# Altium PCB 6sdemo.PcbDoc (part 1 of 2)
Units mm, origin at the board's own origin, x right, y up, seen from the top; angles counter-clockwise.
Board outline 100 x 45 mm, 2 copper layers (Top Layer, Bottom Layer); 146 components, 111 nets, 516 pads, 804 vias.
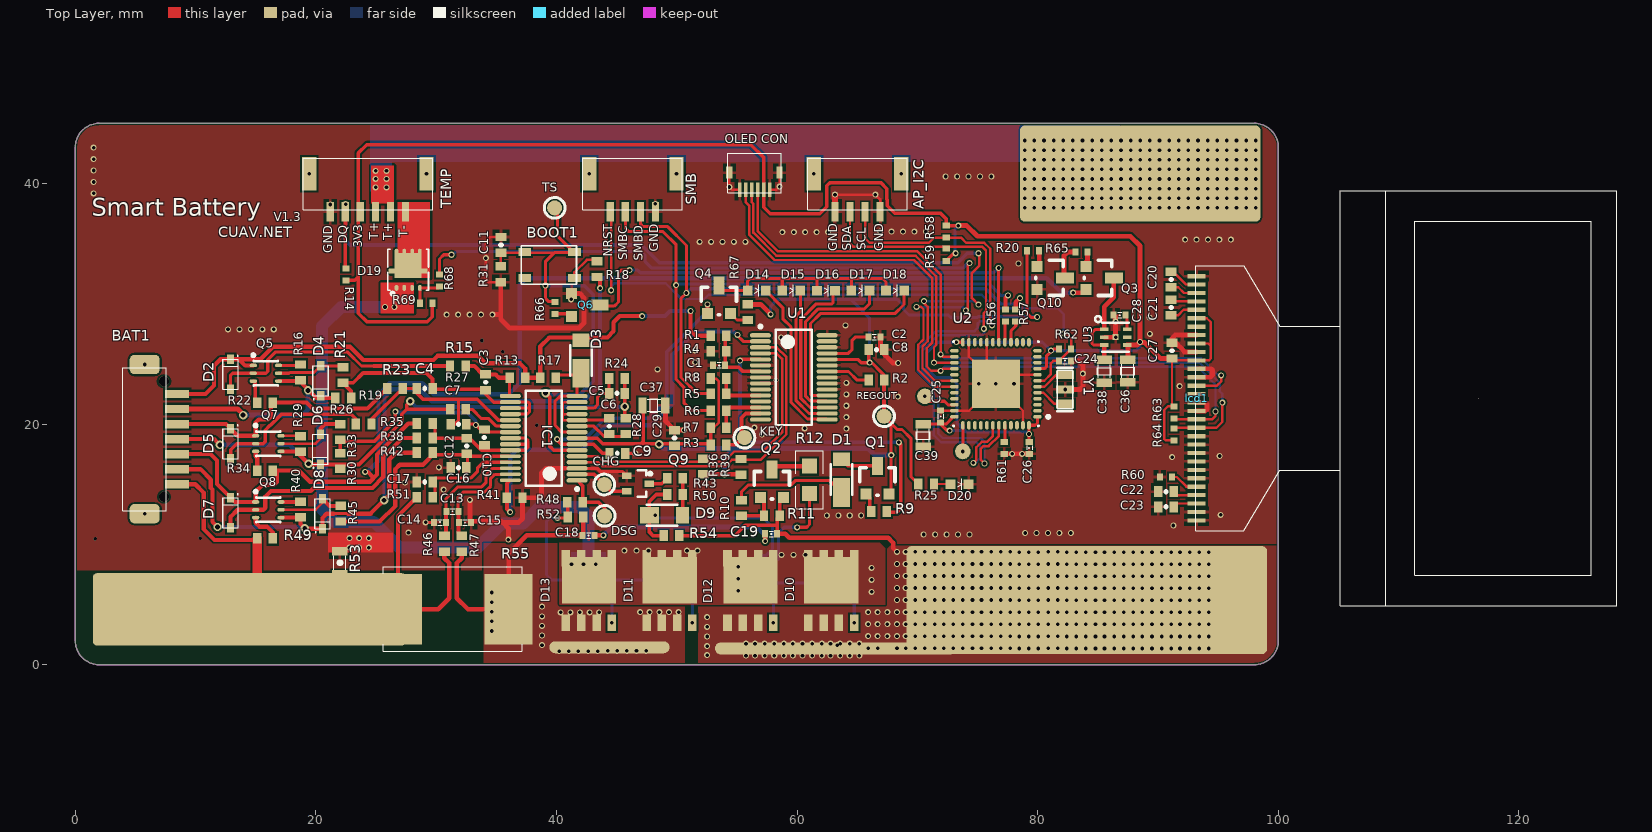
[diagram p0: Top Layer view]
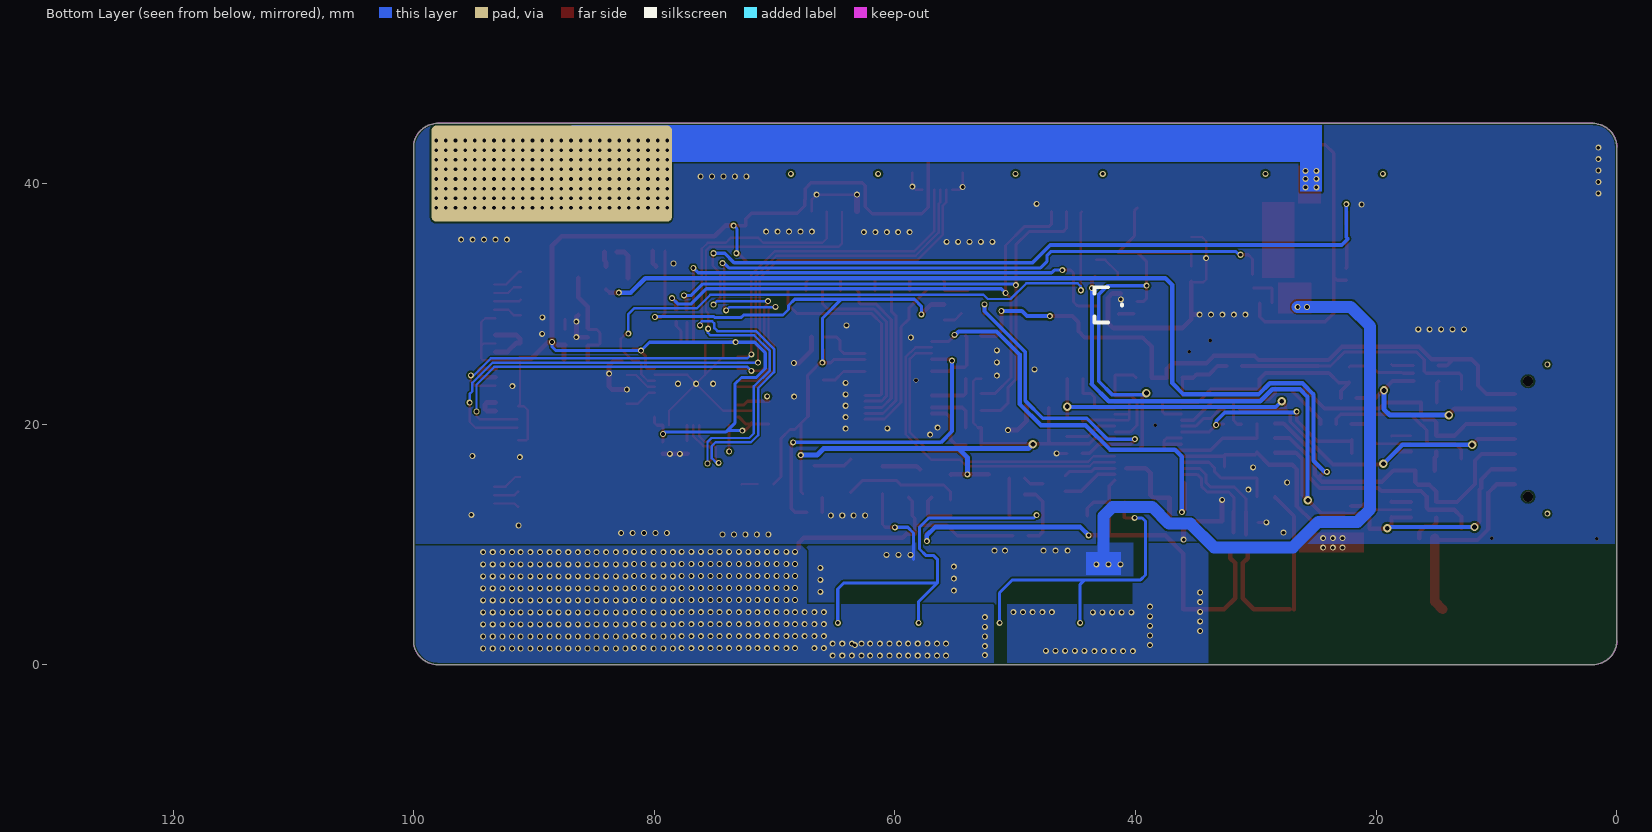
[diagram p1: Bottom Layer view, seen from below]
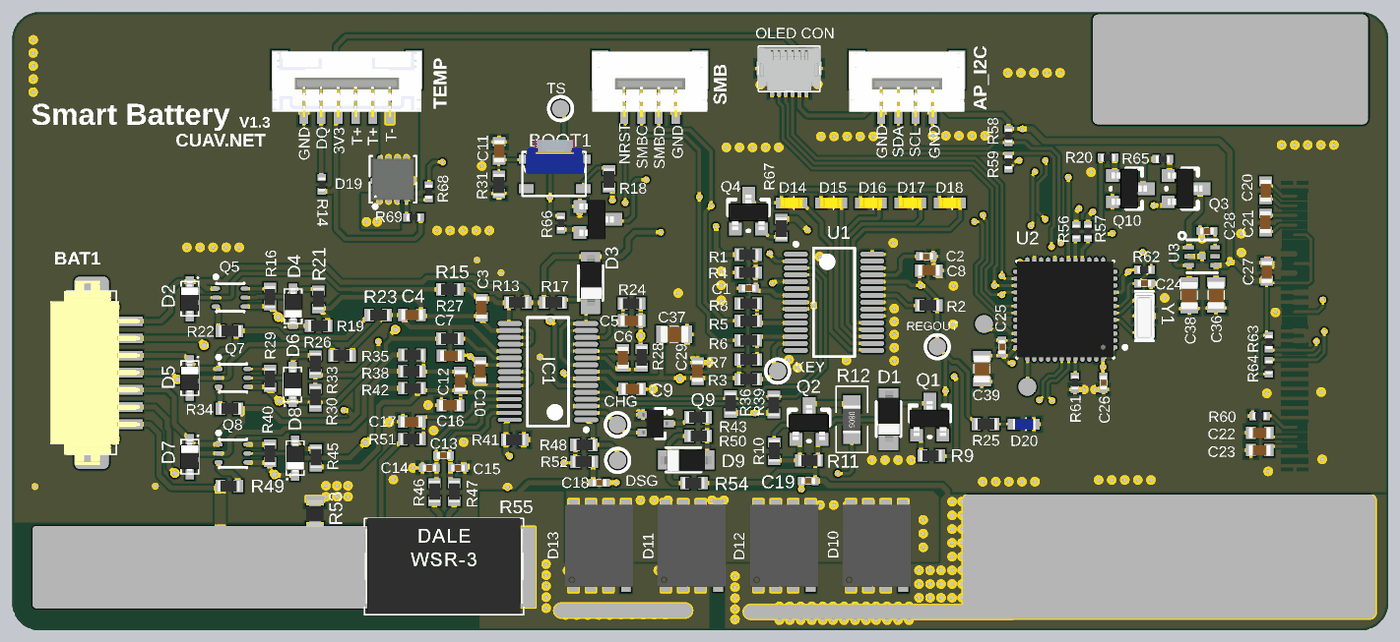
[diagram p3: 3D render of the assembled board from above, using the file's embedded part models]

## Layer stack, top to bottom
Top Solder: solder mask 0.0102, Solder Resist, Dk 3.5
Top Layer: signal copper 0.0356
Dielectric 1: dielectric 0.32, FR-4, Dk 4.8
Bottom Layer: signal copper 0.0356
Bottom Solder: solder mask 0.0102, Solder Resist, Dk 3.5

## Board outline
0,2 0,43 cw(c2,43) 2,45 98,45 cw(c98,43) 100,43 100,2 cw(c98,2) 98,0 2,0 cw(c2,2)

## Design rules (kind name [scope] priority, off if disabled: settings)
Clearance [All] p1: gap=0.154
PlaneConnect PlaneConnect_1 [InNet('PACK-_OUT')] p1: planeconnectstyle=Direct reliefexpansion=0.508 reliefentries=4 reliefconductorwidth=0.254 reliefairgap=0.254
PlaneConnect [All] p2: planeconnectstyle=Relief reliefexpansion=0.508 reliefentries=4 reliefconductorwidth=0.254 reliefairgap=0.254
PolygonConnect PFD [InNet('PFD')] p1: connectstyle=Direct reliefconductorwidth=0.254 reliefentries=4 polygonreliefangle="90 Angle" airgapwidth=0.254
PolygonConnect PACK-OUT [InNet('PACK-_OUT')] p2: connectstyle=Direct reliefconductorwidth=0.254 reliefentries=4 polygonreliefangle="90 Angle" airgapwidth=0.254
PolygonConnect PACK [InNet('PACK-')] p3: connectstyle=Direct reliefconductorwidth=0.254 reliefentries=4 polygonreliefangle="90 Angle" airgapwidth=0.254
PolygonConnect GND [All vs OnLayer('Multi-Layer')] p4: connectstyle=Direct reliefconductorwidth=0.254 reliefentries=4 polygonreliefangle="90 Angle" airgapwidth=0.254
PolygonConnect [All] p5: connectstyle=Relief reliefconductorwidth=0.254 reliefentries=4 polygonreliefangle="90 Angle" airgapwidth=0.254
RoomDefinition MCU+OLED [InComponentClass('MCU+OLED')] p1: confinementstyle=ConfineIn formatcopy=TRUE lockcomponents=FALSE outline -4.251,-8.246 133.199,-8.246 133.199,47.829 -4.251,47.829
RoomDefinition BQ76930 [InComponentClass('BQ76930')] p2: confinementstyle=ConfineIn formatcopy=TRUE lockcomponents=FALSE outline -6.954,-12.415 106.711,-12.415 106.711,47.021 -6.954,47.021
RoomDefinition BQ78350 [InComponentClass('BQ78350')] p3: confinementstyle=ConfineIn formatcopy=TRUE lockcomponents=FALSE outline -0.255,-11.78 102.266,-11.78 102.266,46.299 -0.255,46.299
RoutingVias [All] p1: holewidth=0.711 width=1.27 viastyle="Through Hole" minholewidth=0.711 minwidth=1.27 maxholewidth=0.711 maxwidth=1.27
SolderMaskExpansion [All] p1: expansion=0.102
Width [All] p1: maxlimit=5 minlimit=0.154 preferedwidth=0.254 minimp=50.000000 maximp=50.000000 favimp=50.000000
29 further rules are at their usual default settings.

## Classes and differential pairs
component class BQ78350: C1 C2 D1 D14 D15 D16 D17 D18 D20 KEY Q1 Q2 Q4 R1 R2 R3 R4 R5 R6 R7 R8 R9 R10 R11 R12 R25 R56 R57 R67 REGOUT SMB U1
component class BQ76930: BAT1 BOOT1 C3 C4 C5 C6 C7 C8 C9 C10 C11 C12 C13 C14 C15 C16 C17 C18 C19 C29 CHG D2 D3 D4 D5 D6 D7 D8 D9 D10 D11 D12 D13 DSG IC1 Q5 Q7 Q8 Q9 Q11A Q13A Q14 R13 R15 R16 R17 R18 R19 R21 R22 R23 R24 R26 R27 R28 R29 R30 R31 R33 R34 R35 R36 R38 R39 R40 R41 R42 R43 R45 R46 R47 R48 R49 R50 R51 R52 R53 R54 R55 TS
component class MCU+OLED: AP_I2C C20 C21 C22 C23 C24 C25 C26 C27 C28 c36 c37 C38 C39 D19 lcd1 "OLED CON" Q3 Q6 Q10 R14 R20 R58 R59 R60 R61 R62 R63 R64 R65 R66 R68 R69 TEMP U2 U3 Y1

## Components (designator, comment, footprint, x,y, rotation, side; value= is the part's Value field where it differs from the comment)
AP_I2C "1.25-4P" GH1.25-4P 64.999,37.954 r180 top (schematic designator AP_I1)
BAT1 "DF13-7P-1.25H" DF13-7P-1.25H 6.599,18.604 r90 top
BOOT1 "EVQPUA02K" SKRPAB 39.45,33.3 r180 top
C1 "3300PF" 0402cap 53.525,24.9 r0 top
C2 "100NF" 0402cap 66.424,27.229 r0 top
C3 "1UF" 0603c 34.125,23.55 r270 top
C4 "1UF" 0603c 29.12,22.95 r180 top
C5 "4700PF" 0603C 44.949,22.565 r0 top
C6 "1UF" 0603c 44.4,19.896 r270 top
C7 "1UF" 0603c 31.925,19.975 r180 top
C8 "2.2UF" 0603c 66.674,26.179 r180 top
C9 "1UF" 0603c 45.125,17.55 r180 top
C10 "1UF" 0603c 33.999,18.829 r90 top
C11 "4700PF" 0603C 35.374,34.829 r90 top
C12 "1UF" 0603c 32.524,18.104 r90 top
C13 "100n" 0402CAP 31.349,12.729 r180 top
C14 "100n" 0402CAP 30.324,11.829 r180 top
C15 "100n" 0402CAP 32.399,11.829 r0 top
C16 "1UF" 0603c 31.775,16.4 r0 top
C17 "1UF" 0603c 28.978,15.204 r0 top
C18 "100n" 0402CAP 42.675,10.75 r0 top
C19 "100n" 0402CAP 57.849,10.879 r0 top
C20 "1UF" 0603c 91.073,31.954 r90 top
C21 "1UF" 0603c 91.099,29.754 r270 top
C22 "2.2UF" 0603c 90.599,14.404 r0 top
C23 "100NF" 0603c 90.599,13.129 r0 top
C24 "100nf" 0402CAP 82.274,25.254 r180 top
C25 "Cap" 0402CAP 71.924,20.629 r90 top
C26 "Cap" 0402CAP 79.299,18.029 r270 top
C27 "2.2UF" 0603c 91.149,26.029 r90 top
C28 "470PF" 0402CAP 86.815,29.063 r0 top
C29 "2.2UF" 0603c 49.825,18.925 r270 top
C36 "10UF" 0805CAP 87.465,24.413 r90 top (schematic designator c36)
C37 "10UF" 0805CAP 48.1,21.525 r180 top (schematic designator c37)
C38 "10UF" 0805CAP 85.515,24.388 r90 top
C39 "10UF" 0805CAP 70.45,19.05 r90 top
CHG "tpad_020" tpad_020 43.975,14.975 r90 top
D1 "1N4148W" SOD-123#1 63.575,15.65 r270 top
D2 "1N4148W" SOD323 12.699,24.154 r180 top
D3 "1N4148W" SOD-123#1 41.925,25.55 r270 top
D4 "1N4148W" SOD323 20.624,23.579 r0 top
D5 "1N4148W" SOD323 12.699,18.379 r180 top
D6 "1N4148W" SOD323 20.599,17.879 r0 top
D7 "1N4148W" SOD323 12.699,12.654 r180 top
D8 "1N4148W" SOD323 20.774,12.529 r0 top
D9 "1N4148W" SOD-123#2 49.049,12.529 r180 top
D10 "IRFH5301TRPBF" SON5x6 62.974,6.279 r90 top
D11 "IRFH5301TRPBF" SON5x6 49.524,6.279 r90 top
D12 "IRFH5301TRPBF" SON5x6 56.249,6.279 r90 top
D13 "IRFH5301TRPBF" SON5x6 42.824,6.279 r90 top
D14 "LED1" 0603-LED-YE 56.711,31.136 r0 top
D15 "LED1" 0603-LED-YE 59.586,31.136 r0 top
D16 "LED1" 0603-LED-YE 62.475,31.125 r0 top
D17 "LED1" 0603-LED-YE 65.336,31.136 r0 top
D18 "LED1" 0603-LED-YE 68.211,31.136 r0 top
D19 "AON7788" DFN3x3_8L 27.675,32.925 r90 top
D20 "LED0" 0603-led-b 73.45,14.975 r0 top
DSG "tpad_020" tpad_020 44,12.375 r90 top
IC1 "BQ76930" TSSOP30#1 38.939,18.827 r180 top
KEY "tpad_020" tpad_020 55.625,18.875 r0 top
lcd1 "UG-2864HSWEG01" 1.3OLED 113.674,22.5 r270 top
"OLED CON" "5014610691" 5014610691 56.45,41.05 r0 top
Q1 "MMBT3906" "SOT-23 - duplicate"#1 66.674,15.229 r0 top
Q2 "BSS138" "SOT-23 - duplicate"#1 57.899,14.929 r0 top
Q3 "SI2307" "SOT-23 - duplicate"#1 85.024,32.154 r270 top
Q4 "MMBT3906" "SOT-23 - duplicate"#1 53.5,30.225 r0 top
Q5 "FDY1002PZ" DFN2*2-6L 15.85,24.225 r270 top
Q6 "BC817" "SOT-23 - duplicate"#2 42.275,29.9 r90 top
Q7 "FDY1002PZ" DFN2*2-6L 16.049,18.379 r270 top
Q8 "FDY1002PZ" DFN2*2-6L 16.049,12.879 r270 top
Q9 "BSS84W-7-F" SOT-323 46.774,15.054 r180 top
Q10 "BC817" "SOT-23 - duplicate"#1 80.974,32.154 r270 top
R1 "400k" 0603R 53.475,27.348 r180 top
R2 "100K" 0603R 66.603,23.654 r180 top
R3 "221K" 0603R 53.475,18.275 r0 top
R4 "11.3k" 0603R 53.475,26.048 r180 top
R5 "100R" 0603R 53.475,22.529 r0 top
R6 "100R" 0603R 53.475,21.116 r0 top
R7 "4.7" 0603R 53.475,19.704 r0 top
R8 "4.7K" 0603R 53.475,23.779 r0 top
R9 "10k" 0603R 66.8,12.725 r180 top
R10 "10k" 0603R 55.374,13.029 r90 top
R11 "1.00Meg" 0603R 57.899,12.382 r0 top
R12 "1.0K" R0805 61.025,16.5 r270 top
R13 "1k" 0603r 36.749,23.854 r180 top
R14 "4.7K" 0402r 22.5,32.45 r270 top
R15 "10k" 0603r 31.8,24.825 r180 top
R16 "100R" 0603r 18.724,24.304 r270 top
R17 "10K" 0603R 39.299,23.854 r0 top
R18 "3.01k" 0603R 43.375,32.875 r270 top
R19 "1k" 0603r 22.274,22.179 r0 top
R20 "10k" 0402R 79.625,34.4 r0 top
R21 "10k" 0603r 22.249,24.079 r90 top
R22 "100R" 0603r 15.774,21.779 r0 top
R23 "1k" 0603r 26.575,22.95 r0 top
R24 "10k NTC" 0603R 45.02,23.779 r180 top
R25 "2k" 0603R 70.725,15.025 r0 top
R26 "10k" 0603r 23.975,20 r180 top
R27 "1k" 0603r 31.824,21.229 r180 top
R28 "1k" 0603R 45.75,19.825 r90 top
R29 "100R" 0603r 18.725,18.35 r270 top
R30 "1k" 0603r 22.025,16.925 r90 top
R31 "10k NTC" 0603R 35.374,32.454 r270 top
R33 "10k" 0603r 22.024,19.354 r90 top
R34 "100R" 0603r 15.774,16.129 r0 top
R35 "1k" 0603r 29.049,20.054 r0 top
R36 "10K" 0603R 52.2,16.475 r90 top
R38 "10k" 0603r 29.05,18.854 r180 top
R39 "10K" 0603R 55.35,16.45 r270 top
R40 "100R" 0603r 18.724,12.904 r270 top
R41 "499K" 0603R 36.526,13.874 r180 top
R42 "1k" 0603r 29.049,17.629 r0 top
R43 "1.00K" 0603R 49.849,15.504 r180 top
R45 "10k" 0603r 22.074,12.554 r90 top
R46 "100" 0603R 30.678,10.054 r90 top
R47 "100" 0603R 32.124,10.054 r90 top
R48 "0" 0603R 41.549,13.504 r0 top
R49 "100R" 0603r 15.774,10.504 r180 top
R50 "1.00M" 0603R 49.849,14.154 r0 top
R51 "1k" 0603r 29.05,13.925 r180 top
R52 "1M" 0603R 41.574,12.279 r180 top
R53 "0R" 0805L 22.025,8.475 r90 top
R54 "1.00M" 0603R 49.549,10.729 r180 top
R55 "0.001" Dale_WSR-3 31.344,4.576 r0 top
R56 "100R" 0402r 77.325,29.025 r90 top
R57 "100R" 0402r 78.175,29.025 r90 top
R58 "4K7" 0402R 72.396,35.999 r90 top
R59 "4K7" 0402R 72.396,34.075 r270 top
R60 "390K" 0402r 90.649,15.604 r180 top
R61 "10K" 0402R 77.224,18.029 r90 top
R62 "10k" 0402R 82.275,26.25 r0 top
R63 "4K7" 0402r 91.324,20.979 r90 top
R64 "4K7" 0402r 91.324,19.154 r270 top
R65 "10K" 0402r 83.625,34.3 r180 top
R66 "100k" 0402r 39.875,29.65 r270 top
R67 "1K" 0603R 55.9,29.3 r270 top
R68 "4K7" 0402r 30.275,31.925 r270 top
R69 "100K" 0402r 29.175,30.05 r180 top
REGOUT "tpad_020" tpad_020 67.225,20.65 r90 top
SMB "1.25-4P" GH1.25-4P 46.324,37.954 r180 top (schematic designator SMB1)
TEMP "GH1.25-6" GH1.25-6 24.299,37.754 r180 top
TS "tpad_020" tpad_020 39.85,37.975 r0 top
U1 "bq78350" TSSOP30#2 59.724,23.879 r0 top
U2 "STM32F103CBU6" QFN48 76.524,23.354 r180 top
U3 "TPS70933DBVR" MLF-6 86.414,27.017 r90 top
Y1 "16mhz" RESONATOR 82.299,22.879 r270 top

## Footprints (in the part's own frame and the unit in brackets; to place one, negate y for a bottom-side part, rotate by r counter-clockwise, add the part's x,y. Pads: shape width x height; smd on the part's side, far side on the other; paste and mask are expansions set on the pad)
1.3OLED [mm]
  rect 0.35x1.524 smd: 1(-9.796,-20.475) 2(-9.096,-20.475) 3(-8.396,-20.475) 4(-7.696,-20.475) 5(-6.996,-20.475) 6(-6.296,-20.475) 7(-5.596,-20.475) 8(-4.896,-20.475) 9(-4.196,-20.475) 10(-3.496,-20.475) 11(-2.796,-20.475) 12(-2.096,-20.475) 13(-1.396,-20.475) 14(-0.696,-20.475) 15(0.004,-20.475) 16(0.704,-20.475) 17(1.404,-20.475) 18(2.104,-20.475) 19(2.804,-20.475) 20(3.504,-20.475) 21(4.204,-20.475) 22(4.904,-20.475) 23(5.604,-20.475) 24(6.304,-20.475) 25(7.004,-20.475) 26(7.704,-20.475) 27(8.404,-20.475) 28(9.104,-20.475) 29(9.804,-20.475) 30(10.504,-20.475)
  silkscreen extent -16.9,-20.55 17.6,14.45, body extent -16.87,-20.5 17.62,14.5, height 0.2
0402cap [mm]
  rect 0.5x0.6 smd: 1(0.5,0) 2(-0.5,0)
  silkscreen extent -0.18,-0.23 0.18,0.23, body extent -0.5,-0.25 0.5,0.25, height 0.5
0402CAP [mm]
  rect 0.5x0.6 smd: 1(0.5,0) 2(-0.5,0)
  silkscreen extent -0.18,-0.23 0.18,0.23, body extent -0.5,-0.25 0.5,0.25, height 0.5
0402r [mm]
  rect 0.5x0.6 smd: 1(0.5,0) 2(-0.5,0)
  body extent -0.5,-0.25 0.5,0.25, height 0.3
0402R [mm]
  rect 0.5x0.6 smd: 1(0.5,0) 2(-0.5,0)
  body extent -0.5,-0.25 0.5,0.25, height 0.3
0603-led-b [mm]
  rect 0.8x0.8 smd: A(-0.7,0.031) C(0.8,0.031)
  silkscreen extent -0.09,-0.43 0.22,0.49, body extent -0.7,-0.38 0.9,0.42, height 0.8
0603-LED-YE [mm]
  rect 0.8x0.8 smd: A(-0.821,-0.03) C(0.679,-0.03)
  silkscreen extent -0.21,-0.49 0.1,0.43, body extent -0.89,-0.42 0.73,0.37, height 1.1
0603c [mm]
  rect 0.7x0.9 smd: 1(0.721,-0.013) 2(-0.579,-0.013)
  silkscreen extent 0.07,-0.04 0.07,0.02, body extent -0.75,-0.42 0.85,0.38, height 0.6
0603C [mm]
  rect 0.7x0.9 smd: 1(0.721,-0.013) 2(-0.579,-0.013)
  silkscreen extent 0.07,-0.04 0.07,0.02, body extent -0.75,-0.42 0.85,0.38, height 0.6
0603R [mm]
  rect 0.7x0.9 smd: 1(-0.65,-0.002) 2(0.65,-0.002)
  body extent -0.75,-0.4 0.85,0.4, height 0.44
0603r [mm]
  rect 0.7x0.9 smd: 1(-0.65,-0.002) 2(0.65,-0.002)
  body extent -0.75,-0.4 0.85,0.4, height 0.44
0805CAP [mm]
  rect 0.7x1.3 smd: 1(-0.95,-0.025) 2(0.95,-0.025)
  silkscreen extent -0.55,-0.6 0.55,0.55, body extent -1.02,-0.62 0.98,0.58, height 1.2
0805L [mm]
  rect 0.7x1.3 smd: 1(-0.95,0.025) 2(0.95,0.025)
  silkscreen extent -0.6,-0.47 0.6,0.53, body extent -0.97,-0.6 1.03,0.65, height 0.45
5014610691 [mm]
  rect 0.52x1 smd: 1(-2.083,-0.156) 1(2.092,-0.156)
  rect 0.3x1.21 smd: 1(1.267,-1.566) 2(0.767,-1.566) 3(0.267,-1.566) 4(-0.233,-1.566) 5(-0.733,-1.566) 6(-1.233,-1.566)
  silkscreen extent -2.22,-1.83 2.24,1.47, body extent -2.24,-1.82 2.26,1.38, height 0.79
Dale_WSR-3 [mm]
  rect 4x5.85 smd: 1(-4.525,0.025) 2(4.675,0.025)
  silkscreen extent -5.75,-3.44 5.83,3.57, body extent -5.73,-3.39 5.83,3.59, height 2.43
DF13-7P-1.25H [mm]
  rect 0.7x2 smd: 1(3.9,-1.875) 2(2.65,-1.875) 3(1.4,-1.875) 4(0.15,-1.875) 5(-1.1,-1.875) 6(-2.35,-1.875) 7(-3.6,-1.875)
  rrect50% 1.6x2.5 smd: M$0(-6.05,0.825) M$1(6.35,0.825)
  silkscreen extent -5.8,-0.96 6.1,2.64, body extent -6.55,-2.68 6.85,3.83, height 3.58
DFN2*2-6L [mm] "QFN, 6-Leads, Body 2.0x2.0mm (max), Pitch 0.65mm, IPC Medium Density"
  oval 0.3x0.6 smd: 1(-0.65,-1.05) 2(0,-1.05) 3(0.65,-1.05) 4(0.65,1.05) 5(0,1.05) 6(-0.65,1.05)
  silkscreen extent -1.62,-1.17 1.05,1, body extent -1,-1 1,1, height 0.9
DFN3x3_8L [mm]
  oval 0.5x0.3 smd: 1(-1.6,-0.325) 1(-1.6,0.325) 1(-1.6,0.975) 4(-1.6,-0.975) 5(1.4,-0.975) 5(1.4,-0.325) 5(1.4,0.325) 5(1.4,0.975)
  rrect50% 0.45x3.25 smd: 5(-0.2,0)
  rect 2.1x2.25 smd: 5(0.25,0)
  silkscreen extent -2.2,-1.7 1.6,1.7, body extent -1.6,-1.5 1.42,1.5, height 0.8
GH1.25-4P [mm]
  rect 1.2x2.8 smd: 0(-3.65,-2.85) 0(3.6,-2.85)
  rect 0.6x1.6 smd: 1(-1.9,0.3) 2(-0.65,0.3) 3(0.6,0.3) 4(1.85,0.3)
  silkscreen extent -4.15,-4.12 4.13,0.15, body extent -4.2,-4.15 4.15,0.6, height 4.5
GH1.25-6 [mm]
  rect 1.2x2.8 smd: 0(-4.9,-3.05) 0(4.85,-3.05)
  rect 0.6x1.6 smd: 1(-3.15,0.1) 2(-1.9,0.1) 3(-0.65,0.1) 4(0.6,0.1) 5(1.85,0.1) 6(3.1,0.1)
  silkscreen extent -5.4,-4.32 5.35,-0.05, body extent -5.45,-4.38 5.4,0.37, height 4.5
MLF-6 [mm]
  rect 0.3x0.7 smd: 1(0.858,0.889) 2(0.208,0.889) 3(-0.442,0.889) 4(-0.442,-1.011) 5(0.208,-1.011) 6(0.858,-1.011)
  rect 0.5x0.5 smd: 7(0.208,-0.061)
  silkscreen extent -0.99,-1.16 1.96,1.65, body extent -0.66,-1.08 1.12,1.08, height 1
QFN48 [mm] "QFN, 48-Leads, Body 7.0x7.0mm (max), Pitch 0.50mm, IPC Medium Density"
  oval 0.7x0.3 smd: 1(-3.45,2.75) 2(-3.45,2.25) 3(-3.45,1.75) 4(-3.45,1.25) 5(-3.45,0.75) 6(-3.45,0.25) 7(-3.45,-0.25) 8(-3.45,-0.75) 9(-3.45,-1.25) 10(-3.45,-1.75) 11(-3.45,-2.25) 12(-3.45,-2.75) 25(3.45,-2.75) 26(3.45,-2.25) 27(3.45,-1.75) 28(3.45,-1.25) 29(3.45,-0.75) 30(3.45,-0.25) 31(3.45,0.25) 32(3.45,0.75) 33(3.45,1.25) 34(3.45,1.75) 35(3.45,2.25) 36(3.45,2.75)
  oval 0.3x0.7 smd: 13(-2.75,-3.45) 14(-2.25,-3.45) 15(-1.75,-3.45) 16(-1.25,-3.45) 17(-0.75,-3.45) 18(-0.25,-3.45) 19(0.25,-3.45) 20(0.75,-3.45) 21(1.25,-3.45) 22(1.75,-3.45) 23(2.25,-3.45) 24(2.75,-3.45) 37(2.75,3.45) 38(2.25,3.45) 39(1.75,3.45) 40(1.25,3.45) 41(0.75,3.45) 42(0.25,3.45) 43(-0.25,3.45) 44(-0.75,3.45) 45(-1.25,3.45) 46(-1.75,3.45) 47(-2.25,3.45) 48(-2.75,3.45)
  rect 4x4 smd: 35(0,0)
  silkscreen extent -4.48,-3.55 3.55,3.55, body extent -3.51,-3.52 3.51,3.5, height 0.78
R0805 [mm]
  rect 1.25x1.27 smd: 1(0,0)
  rect 1.25x1.25 smd: 2(2.286,0)
  silkscreen extent -1.27,-1.14 3.56,1.14, body extent 0.15,-0.64 2.15,0.62, height 0.55
RESONATOR [mm]
  rect 0.7x1.5 smd: 1(1.2,-0.025) 2(0,-0.025) 3(-1.2,-0.025)
  silkscreen extent -1.8,-0.67 1.8,0.62, body extent -1.47,-0.67 1.72,0.63, height 1.02
SKRPAB [mm]
  rect 1.05x0.65 smd: 1(-2.05,1.15) 2(-2.05,-1) 3(2.1,1.15) 4(2.1,-1)
  silkscreen extent -2.22,-1.53 2.38,1.67, body extent -2.27,-1.52 2.32,1.68, height 2.5
SOD323 [mm]
  rect 0.6x0.8 smd: A(-0.217,1.264) C(-0.217,-1.236)
  silkscreen extent -0.87,-1.56 0.43,1.26, body extent -0.87,-1.28 0.48,1.32, height 1.1
SOD-123#1 [mm]
  rect 1.1x1.4 smd: A(-1.427,0.107)
  rect 2.4x1.4 smd: K(1.323,0.107)
  silkscreen extent -1,-0.78 1.54,1, body extent -1.77,-0.65 1.93,0.95, height 1.27
SOD-123#2 [mm]
  rect 1.1x1.4 smd: A(-1.427,0.107)
  rect 1.6x1.4 smd: K(1.323,0.107)
  silkscreen extent -1,-0.78 1.54,1, body extent -1.77,-0.65 1.93,0.95, height 1.27
SON5x6 [mm]
  rect 1.372x0.71 smd: 1(-2.8,-0.505) 1(-2.8,0.765) 1(-2.8,2.035) 4(-2.8,-1.775) 8(2.575,-1.775) 8(2.575,-0.505) 8(2.575,0.765) 8(2.575,2.035)
  rect 3.85x4.52 smd: 8(0.75,0.125)
  body extent -3.1,-2.35 2.9,2.65, height 1
"SOT-23 - duplicate"#1 [mil]
  rect 36x36 smd: 1(-37.32,-40.28) 2(37.68,-40.28)
  rect 36x59.06 smd: 3(0.68,51.26)
  silkscreen extent -57,-45 58,45, body extent -57,-42 57,58, height 39
"SOT-23 - duplicate"#2 [mil]
  rect 36x36 smd: 1(-37.32,40.28) 2(37.68,40.28)
  rect 36x59.06 smd: 3(0.68,-51.26)
  body extent -57,-58 57,42
SOT-323 [mm] "SOT-323"
  rect 0.8x0.55 smd: 1(0.925,-0.65) 2(0.925,0.65) 3(-0.925,0)
  silkscreen extent -1.15,-1.1 0.02,1.1, body extent -1,-1 1.1,1, height 0.95
tpad_020 [mm]
  round 1.25 smd: 1(0,0)
  silkscreen extent -0.86,-0.86 0.86,0.86
TSSOP30#1 [mm] "TSSOP, 30-Leads"
  oval 1.75x0.35 smd: 1(-2.775,3.5) 2(-2.775,3) 3(-2.775,2.5) 4(-2.775,2) 5(-2.775,1.5) 6(-2.775,1) 7(-2.775,0.5) 8(-2.775,0) 9(-2.775,-0.5) 10(-2.775,-1) 11(-2.775,-1.5) 12(-2.775,-2) 13(-2.775,-2.5) 14(-2.775,-3) 15(-2.775,-3.5) 16(2.775,-3.5) 17(2.775,-3) 18(2.775,-2.5) 19(2.775,-2) 20(2.775,-1.5) 21(2.775,-1) 22(2.775,-0.5) 23(2.775,0) 24(2.775,0.5) 25(2.775,1)
  oval 1.75x0.3 smd: 26(2.775,1.5) 27(2.775,2) 28(2.775,2.5) 29(2.775,3) 30(2.775,3.5)
  silkscreen extent -2.9,-3.95 1.5,4.35, body extent -2.25,-3.95 2.25,3.95, height 1.2
TSSOP30#2 [mm] "TSSOP, 30-Leads"
  oval 1.75x0.35 smd: 1(-2.775,3.5) 2(-2.775,3) 3(-2.775,2.5) 4(-2.775,2) 5(-2.775,1.5) 6(-2.775,1) 7(-2.775,0.5) 8(-2.775,0) 9(-2.775,-0.5) 10(-2.775,-1) 11(-2.775,-1.5) 12(-2.775,-2) 13(-2.775,-2.5) 14(-2.775,-3) 15(-2.775,-3.5) 16(2.775,-3.5) 17(2.775,-3) 18(2.775,-2.5) 19(2.775,-2) 20(2.775,-1.5) 21(2.775,-1) 22(2.775,-0.5) 23(2.775,0) 24(2.775,0.5) 25(2.775,1) 26(2.775,1.5) 27(2.775,2) 28(2.775,2.5) 29(2.775,3) 30(2.775,3.5)
  silkscreen extent -2.9,-3.95 1.5,4.35, body extent -2.25,-3.95 2.25,3.95, height 1.2

## Part data
BOOT1: library part EDGE_MOUNT_PB_SW_2, "SW SPST NO PB 2.2N SIDE 12V 50MA SMT"
C1 C2 C3 C4 C5 C6 C7 C8 C9 C10 C11 C12 C13 C14 C15 C16 C17 C18 C19 C20 C21 C22 C23 C27 C29: library part C1005X5R1H104K, "CAP CER .10UF 50V X5R 10% 0402"
C24 C28: library part Cap, "Capacitor"
C25 C26: "Capacitor"
C36 C37 C38 C39: library part Cap
CHG DSG KEY REGOUT TS: library part TESTLOOP, "TEST POINT PAD 0.5MM DIA SMT, NO PART TO ORDER"
D10 D11 D12 D13: library part P_MOS_2
D14 D15 D16 D17 D18: "Typical RED GaAs LED"
D20: "Typical INFRARED GaAs LED"
Q3: library part MMBT3906
Q5 Q7 Q8: library part BSS84-7-F
Q6 Q10: library part BC718
Q9: library part BSS84W
R1 R2 R3 R4 R5 R6 R7 R8 R9 R10 R11 R12 R13 R15 R16 R17 R18 R19 R20 R21 R22 R23 R24 R25 R26 R27 R28 R29 R30 R31 R33 R34 R35 R36 R38 R39 R40 R41 R42 R43 R45 R46 R47 R48 R49 R50 R51 R52 R53 R54 R56 R57 R65 R66 R67: library part RMCF0402FT4K99, "RES TF 4.99K OHM 1% 1/16W 0402"
R14 R60 R63 R64 R68 R69: library part Res2, "Resistor"
R55: library part DALE_WSR3
R58 R59 R61 R62: library part "Res Semi", "Semiconductor Resistor"
U2: library part STM32F103C8T6, "STM32 ARM-based 32-bit MCU with 64 Kbytes Flash, 48-pin LQFP, Industrial Temperature"
U3: library part MIC5219-3V3
Y1: library part XTAL, "Crystal Oscillator"

## Free pads (board coordinates)
  round 1.3 smd: 0(70.625,22.3) 0(73.774,17.726)
  rrect10% 26x6 smd: 1(14.474,4.604)
  rrect10% 30x9 smd: 1(84.075,5.375)
  rrect10% 20x8 smd: 1(88.525,40.825)
  rrect10% 20x8 smd far side: 1(88.525,40.825)
  oval 10x1 smd: 2(44.4,1.45)
  oval 20x1 smd: 2(63.175,1.35)

## Via types
v1: diameter 0.5, hole 0.3, Top Layer to Bottom Layer, 785 vias
v2: diameter 0.7, hole 0.4, Top Layer to Bottom Layer, 11 vias
v3: diameter 0.3, hole 0.3, Top Layer to Bottom Layer, 5 vias
v4: diameter 0.85, hole 0.85, Top Layer to Bottom Layer, 2 vias
v5: diameter 0.4, hole 0.3, Top Layer to Bottom Layer, 1 vias

## Nets (pads, with @x,y where several pads share a name; then routed paths per layer and width w, separated by ;. In a path a pad name is that pad's centre, name@x,y a point inside that pad or via, vN(x,y) a via of type N, cw(c..) or ccw(c..) an arc to the next point about the centre after c; other vN are vias at no path point)
ALERT: IC1.30 R41.2 U1.2 | length 35.4
  Top Layer w0.254: v1(55.05,27.425) 55.05,27.35 55.521,26.879 U1.2@56.949,26.879
  Top Layer w0.3: 35.875,15.038 IC1.30@36.164,15.327
  Top Layer w0.35: 35.875,15.038 R41.2@35.875,13.875 35.875,12.95 v1(36.15,12.675)
  Bottom Layer w0.35: v1(36.15,12.675) 36.15,17.287 36.738,17.875 42.125,17.875 44.15,19.9 47.85,19.9 49.629,21.679 49.629,25.777 51.552,27.7 54.7,27.7 54.975,27.425 v1(55.05,27.425)
BAT: C1.1 R1.1 R4.1 U1.7 | length 5.6
  Top Layer w0.3: R1.1@54.125,27.35 54.025,27.25 C1.1@54.025,24.9 54.204,24.721 55.154,24.721 55.496,24.379 U1.7@56.949,24.379
BAT1: D3.K IC1.9 IC1.15 R17.2 | length 9.7
  Top Layer w0.254: R17.2@39.949,23.852 40.161,24.064 41.714,24.064 IC1.15@41.714,22.327 40.302,22.327 39.875,21.9 39.875,19.9 40.448,19.327 IC1.9@41.714,19.327
BOOT: BOOT1.2 BOOT1.4 C11.2 IC1.6 R31.1 R66.2 TS.1 | length 39.6
  Top Layer w0.2: R31.1@35.372,33.103 C11.2@35.372,34.235 ; C11.2@35.387,34.25 39.824,34.25
  Top Layer w0.254: TS.1@39.85,37.975 40.1,37.725 40.1,35.616 41.466,34.25 39.824,34.25 39.075,33.5 39.075,30.45 39.35,30.175 R66.2@39.875,30.175
  Top Layer w0.3: v2(39.1,22.575) 39.425,22.25 39.425,18.175 39.773,17.827 IC1.6@41.714,17.827
  Bottom Layer w0.3: v1(39.075,31.5) 42.325,31.5 43.05,30.775 43.05,23.554 41.921,22.425 39.25,22.425 v2(39.1,22.575)
C0: BAT1.7 pad.1@14.474,4.604 R46.1 R49.2 R51.2 R53.1 R55.1 | length 34.9
  Top Layer w0.35: BAT1.7@8.474,15.004 9.971,15.004 10.675,14.3 10.675,11.275 11.573,10.377 14.995,10.377 R49.2@15.123,10.505 ; R55.1@26.819,4.601 26.819,12.346 R51.2@28.399,13.927
  Top Layer w0.381: pad.1@27.169,4.601 30.157,4.601 31.085,5.529 31.085,8.458 30.679,8.864 R46.1@30.679,9.404
  Top Layer w0.8: pad.1@14.474,4.604 15.123,5.253 R49.2@15.123,10.505
C1: BAT1.6 D8.C Q8.4 R18.2 R40.2 R42.1 | length 68.4
  Top Layer w0.254: 21.46,12.554 22.646,12.554
  Top Layer w0.35: BAT1.6@8.474,16.254 10.396,16.254 11.271,15.379 11.271,14.693 11.4,14.564 11.4,11.875 v2(11.825,11.45) ; Q8.4@17.099,12.229 18.698,12.229 R40.2@18.722,12.253 18.722,11.703 19.132,11.293 D8.C@20.557,11.293 20.557,12.207 20.904,12.554 21.46,12.554 ; 22.671,12.554 24.554,12.554 26.1,14.1 26.1,17.05 26.677,17.627 R42.1@28.399,17.627 ; R18.2@43.373,32.225 43.65,31.948 43.625,31.923 v1(43.625,31.3)
  Bottom Layer w0.35: v2(11.825,11.45) 18.975,11.45 v2(19.075,11.35) ; v2(25.675,13.675) 25.704,13.704 25.704,22.266 26.334,22.896 28.633,22.896 29.633,21.896 42.221,21.896 43.65,23.325 43.625,23.35 v1(43.625,31.3)
C2: BAT1.5 D7.C Q3.2 Q8.1 R34.2 R35.1 | length 105
  Top Layer w0.35: BAT1.5@8.474,17.504 11.246,17.504 11.775,16.975 11.775,15.031 D7.C@12.916,13.89 13.277,13.529 Q8.1@14.999,13.529 14.999,14.374 15.575,14.95 16.525,14.95 16.75,15.175 16.75,16.148 18.577,16.148 19.521,15.204 24.491,15.204 25.092,15.805 25.092,17.468 27.677,20.052 R35.1@28.399,20.052 ; v1(24.1,16.025) 24.325,16.025 24.775,15.575 ; v1(82.95,30.925) 83.729,30.925 Q3.2@84.001,31.197
  Bottom Layer w0.35: v1(24.1,16.025) 24.271,16.025 25.2,16.954 25.2,22.475 26.125,23.4 28.842,23.4 29.767,22.475 36,22.475 36.95,23.425 36.95,31.55 37.523,32.123 80.752,32.123 81.95,30.925 v1(82.95,30.925)
C3: BAT1.4 C5.1 D6.C Q7.4 R24.1 R27.2 R28.2 R29.2 R30.1 | length 50.9
  Top Layer w0.3: D6.C@20.382,16.643 23.59,16.643 27.15,20.203 27.15,20.825 27.555,21.23 ; v2(27.85,21.9) 27.555,21.605 27.555,21.23 ; R27.2@31.348,21.23 R27.2@31.173,21.23 27.555,21.23 ; R24.1@45.67,23.78 C5.1@45.67,22.552 45.67,20.557 R28.2@45.752,20.475
  Top Layer w0.35: BAT1.4@8.474,18.754 11.546,18.754 v2(12.025,18.275) ; Q7.4@17.099,17.729 18.371,17.729 v2(19.4,16.7) 19.457,16.643 D6.C@20.382,16.643
  Bottom Layer w0.3: v2(27.85,21.9) 28.333,21.417 45.642,21.417 v2(45.675,21.45)
  Bottom Layer w0.35: v2(12.025,18.275) 17.825,18.275 v2(19.4,16.7)
C4: BAT1.3 D5.C Q7.1 R22.2 R23.1 | length 21.2
  Top Layer w0.35: BAT1.3@8.474,20.004 12.527,20.004 D5.C@12.916,19.615 13.502,19.029 Q7.1@14.999,19.029 14.999,20.124 15.25,20.375 16.025,20.375 16.275,20.625 16.275,21.798 19.227,21.798 19.725,21.3 24.277,21.3 R23.1@25.925,22.948
C5: BAT1.2 D4.C Q5.4 R16.2 R19.1 | length 18.2
  Top Layer w0.35: Q5.4@16.9,23.575 18.644,23.575 20.042,22.177 R19.1@21.624,22.177
  Top Layer w0.4: BAT1.2@8.474,21.254 13.496,21.254 13.95,20.8 v2(13.95,20.75)
  Bottom Layer w0.4: v2(13.95,20.75) 18.85,20.75 19.35,21.25 v2(19.35,22.8)
C6: BAT1.1 D2.C D3.A Q5.1 R1.2 R13.1 R17.1 | length 56.2
  Top Layer w0.35: BAT1.1@8.474,22.504 10.829,22.504 11.525,23.2 11.525,24.85 12.065,25.39 D2.C@12.916,25.39 13.61,25.39 ; Q5.1@14.8,24.875 14.125,24.875 13.61,25.39 ; v1(47.125,28.975) 45.256,28.975 44.75,28.469 44.75,28.148 44.75,27.725 44.231,27.206 42.105,27.206 39.406,27.206 38.649,26.449 R17.1@38.649,23.852 38.646,23.855 R13.1@37.398,23.855 37.398,24.627 36.975,25.05 34.125,25.05 33.5,25.675 30.119,25.675 29.775,25.331 23.939,25.331 22.839,26.431 16.436,26.431 15.395,25.39 13.61,25.39 ; v1(51.15,29.4) 51.15,27.775 51.575,27.35 R1.2@52.825,27.35
  Bottom Layer w0.35: v1(47.125,28.975) 49.025,28.975 49.45,29.4 v1(51.15,29.4)
CAP1: C9.1 IC1.7 Q4.1 | length 25.5
  Top Layer w0.3: v1(40.05,18.75) 40.05,18.675 40.398,18.327 IC1.7@41.714,18.327 43.073,18.327 43.837,17.563 C9.1@44.404,17.563
  Top Layer w0.35: Q4.1@52.552,29.202 v1(52.552,29.95)
  Bottom Layer w0.3: v1(40.05,18.75) 42.323,18.75 44.052,20.479 47.703,20.479 49.15,21.926 49.15,25.975 52.552,29.377 v1(52.552,29.95)
CAP2: C6.2 IC1.11 IC1.12 IC1.14 | length 7.7
  Top Layer w0.2: IC1.11@41.714,20.327 40.598,20.327 40.525,20.4 40.525,20.65 ; IC1.12@41.714,20.827 40.702,20.827 40.525,20.65 ; IC1.14@41.714,21.827 40.652,21.827 40.525,21.7 40.525,20.65
  Top Layer w0.254: IC1.11@41.714,20.327 44.34,20.327 C6.2@44.387,20.279
CHG: CHG.1 IC1.2 Q9.2 | length 4.7
  Top Layer w0.3: IC1.2@41.714,15.827 43.123,15.827 CHG.1@43.975,14.975 44.546,14.404 Q9.2@45.849,14.404
DQ: R14.2 TEMP.5 U2.30 | length 81.6
  Top Layer w0.2: v1(70.55,30.225) 70.625,30.15 70.625,29.975 70.863,29.737 70.863,26.889 70.421,26.447 70.421,24.653 71.471,23.604 U2.30@73.074,23.604 ; v1(75.075,29.925) 74.529,30.471 74.529,32.554 75.155,33.18 75.155,34.12 v1(75.075,34.2)
  Top Layer w0.3: TEMP.5@22.449,37.654 22.449,36.585 ; v1(22.475,38.275) 22.475,36.611 22.449,36.585 ; R14.2@22.5,32.95 22.449,33.001 22.449,36.585
  Bottom Layer w0.2: v1(70.55,30.225) 74.775,30.225 v1(75.075,29.925)
  Bottom Layer w0.3: v1(22.475,38.275) 22.475,35.532 22.347,35.403 22.863,34.887 47.098,34.887 48.567,33.418 73.368,33.418 74.15,34.2 v1(75.075,34.2)
DSG: DSG.1 IC1.1 R48.2 | length 4.7
  Top Layer w0.3: IC1.1@41.714,15.327 42.199,14.841 R48.2@42.199,13.502 43.498,13.502 44,13 DSG.1@44,12.375
GND: "OLED CON.1" "OLED CON.6" AP_I2C.1 AP_I2C.4 C1.2 C2.1 C8.2 C9.2 C11.1 C14.1 C15.1 C16.2 C17.2 C22.2 C23.2 C24.2 C25.1 C26.1 C27.1 C28.2 C29.2 C36.1 C37.1 C38.1 C39.1 D20.C IC1.3 lcd1.1 lcd1.8 lcd1.10 lcd1.12 lcd1.13 lcd1.16 lcd1.17 lcd1.20 lcd1.21 lcd1.22 lcd1.23 lcd1.24 lcd1.25 lcd1.29 lcd1.30 Q6.2 Q9.1 Q10.2 R4.2 R31.2 R41.1 R53.2 R60.1 R61.2 SMB.1 TEMP.6 U1.6 U1.8 U1.9 U1.21 U1.22 U1.23 U1.25 U1.28 U1.30 U2.8 U2.20 U2.23 U2.35 U2.47 U3.2 U3.7 Y1.2 | length 98.7
  Top Layer w0.2: R31.2@35.372,31.803 34.347,31.803 34.125,32.025 34.125,35.2 34.475,35.55 C11.1@35.387,35.55 ; 54.367,40.894 v1(54.367,39.708) 54.591,39.484 55.217,39.484 ; 57.717,39.484 58.284,39.484 v1(58.542,39.742) 58.542,40.894 ; v1(63.15,39.075) v1(66.5,39.075) 66.9,38.675 AP_I2C.1@66.9,37.7 ; C25.1@71.949,21.104 U2.35@73.074,21.104 74.274,21.104 v1(76.524,23.354) ; U2.23@74.274,26.804 74.274,25.604 U2.35@75.774,24.104 ; U2.20@75.774,26.804 U2.35@75.774,24.104 ; U2.47@78.774,19.904 78.774,21.104 v1(76.524,23.354) ; U2.8@79.974,24.104 77.274,24.104 v1(76.524,23.354) ; U2.35@75.774,24.104 v1(76.524,23.354)
  Top Layer w0.254: v1(29.129,11.829) C14.1@29.824,11.829 ; IC1.3@41.714,16.327 43.398,16.327 43.675,16.05 45.502,16.05 Q9.1@45.849,15.704 ; C9.2@45.704,17.563 v1(46.562,17.563)
  Top Layer w0.4: v1(32.8,13.7) 32.8,11.927 35.423,11.927 35.521,11.829 ; v1(34.675,29.1) 35.322,29.1 ; R31.2@35.372,31.803 35.372,28.728 36.125,27.975 41.85,27.975 42.275,28.4 42.275,30.5 41.918,30.857 Q6.2@41.252,30.857 ; v1(36,10.4) 36,11.35 35.521,11.829 ; 40.766,16.327 39.152,16.327 38.75,15.925 38.75,14.1 38.525,13.875 R41.1@37.175,13.875 37.175,12.15 36.854,11.829 35.521,11.829 ; C37.1@49.05,21.55 49.05,20.266 C29.2@49.812,19.504 v1(50.6,19.504) ; C2.1@66.924,27.229 66.924,26.126 67.975,25.075 v1(68.4,25.075) ; R61.2@77.224,17.529 C26.1@79.299,17.529 ; v1(82.274,22.879) 83.529,22.879 83.75,23.1 83.75,24.875 83.371,25.254 C24.2@82.774,25.254 ; U3.2@85.525,27.225 v1(86.475,27.225) 86.475,28.903 C28.2@86.315,29.063 ; lcd1.17@93.199,21.096 93.921,21.096 94.075,21.25 94.075,21.625 93.904,21.796 lcd1.16@93.199,21.796 ; lcd1.13@93.199,23.896 94.346,23.896 94.525,24.075 94.525,24.475 94.404,24.596 lcd1.12@93.199,24.596 ; lcd1.10@93.199,25.996 92.204,25.996 91.45,26.75 C27.1@91.162,26.75 91.162,27.112 91.446,27.396 lcd1.8@93.199,27.396
  Top Layer w0.5: AP_I2C.4@63.15,37.7 v1(63.15,39.075)
  other v1: 22.8,9.725 23.6,9.725 24.4,9.725 22.8,10.525 23.6,10.525 24.4,10.525 70.525,10.825 71.475,10.825 72.425,10.825 73.375,10.825 74.325,10.825 78.95,10.95 79.9,10.95 80.85,10.95 81.8,10.95 82.75,10.95 27.7,10.975 91.275,11.575 62.475,12.4 63.425,12.4 64.375,12.4 65.325,12.4 95.2,12.45 30.625,14.55 27.4,15.15 30.225,16.4 91.175,17.25 95.125,17.35 77.875,17.529 78.7,17.529 57.075,19.125 64.1,19.625 60.625,19.65 56.45,19.7 64.1,20.575 64.1,21.525 68.375,22.275 64.1,22.475 91.8,23.15 75.1,23.354 78.025,23.354 64.1,23.425 51.525,24.025 83.75,24.2 48.4,24.55 51.525,25.125 51.525,26.125 58.675,27.2 89.325,27.5 12.7,27.875 13.65,27.875 14.6,27.875 15.55,27.875 16.5,27.875 64.025,28.2 86.475,28.513 89.3,28.875 30.875,29.1 31.825,29.1 32.775,29.1 33.725,29.1 41.225,30.375 78.4,33.35 34.125,33.8 51.9,35.15 52.85,35.15 53.8,35.15 54.75,35.15 55.7,35.15 92.25,35.325 93.2,35.325 94.15,35.325 95.1,35.325 96.05,35.325 58.775,35.95 59.725,35.95 60.675,35.95 61.625,35.95 62.575,35.95 66.9,36 67.85,36 68.8,36 69.75,36 70.7,36 21.2,38.25 48.225,38.3 1.525,39.175 1.525,40.125 72.35,40.575 73.3,40.575 74.25,40.575 75.2,40.575 76.15,40.575 1.525,41.075 1.525,42.025 1.525,42.975
  other v3: 1.65,10.475 10.4,10.5 38.35,19.9 35.525,26.025 33.775,26.95
  other v5: 58.25,23.65
I2C2_SCL: AP_I2C.2 R58.2 U2.42 | length 45.2
  Top Layer w0.2: AP_I2C.2@65.649,37.654 65.649,35.451 66.021,35.079 70.954,35.079 71.374,35.499 R58.2@72.396,35.499 73.626,35.499 74.046,35.079 75.547,35.079 76.054,34.572 76.054,28.346 v1(76.2,28.2) ; v1(74.65,16.775) 74.9,17.025 74.9,18.075 75.35,18.525 75.775,18.525 76.274,19.024 U2.42@76.274,19.904
  Bottom Layer w0.2: v1(74.65,16.775) 74.821,16.775 75.221,17.175 75.221,18.172 74.9,18.493 71.957,18.493 71.361,19.089 71.361,23 70.04,24.321 70.04,26.229 71.54,27.729 74.754,27.729 75,27.975 75,28.355 75.195,28.55 76.05,28.55 76.275,28.325 v1@76.275,28.075
I2C2_SDA: AP_I2C.3 R59.2 U2.43 | length 44.5
  Top Layer w0.2: AP_I2C.3@64.399,37.654 64.399,35.001 64.675,34.725 75.4,34.725 75.7,34.425 75.7,29.4 75.525,29.225 v1(75.525,27.925) ; v1(75.575,16.725) 75.254,17.046 75.254,17.928 75.497,18.171 75.922,18.171 76.774,19.023 U2.43@76.774,19.904
  Bottom Layer w0.2: v1@75.55,28 75.55,27.6 75.325,27.375 71.686,27.375 70.394,26.083 70.394,24.467 71.715,23.146 71.715,19.236 72.103,18.847 75.248,18.847 75.575,18.52 v1(75.575,16.725)
KEY: KEY.1 R3.2 U1.14 | length 5
  Top Layer w0.3: R3.2@54.125,18.273 54.923,18.273 55.375,18.725 55.375,20.525 55.729,20.879 U1.14@56.949,20.879
KEY_A: Q6.3 U2.18 | length 42.6
  Top Layer w0.254: Q6.3@43.25,29.8 44.794,29.8 45.15,30.156 45.15,32.575 45.375,32.8 v1(46.075,32.8) ; v1@76.744,32.975 76.744,26.833 U2.18@76.774,26.804
  Bottom Layer w0.254: v1(46.075,32.8) 46.75,32.8 46.971,32.579 76.354,32.579 v1(76.75,32.975)
KEY_COL5: U2.29
LDO_VIN: C38.2 Q3.3 U3.1 U3.3 | length 8.8
  Top Layer w0.254: U3.3@85.525,26.575 84.629,26.575 84.515,26.688 84.515,27.588 84.802,27.875 U3.1@85.525,27.875
  Top Layer w0.4: C38.2@85.525,25.279 U3.3@85.525,26.5 ; U3.1@85.525,27.975 85.525,29.75 86.326,30.551 Q3.3@86.326,32.137
LED1: D14.C U1.16 | length 13.8
  Top Layer w0.254: D14.C@57.39,31.107 58.817,29.68 58.817,28.75 59.485,28.082 59.485,21.807 60.869,20.423 62.455,20.423 U1.16@62.499,20.379
LED2: D15.C U1.17 | length 12.3
  Top Layer w0.254: D15.C@60.265,31.107 60.265,29.34 59.893,28.968 59.893,21.976 60.99,20.879 U1.17@62.499,20.879
LED3: D16.C U1.18 | length 13.4
  Top Layer w0.254: U1.18@62.499,21.379 61.067,21.379 60.301,22.145 60.301,28.701 61.591,29.991 62.9,29.991 63,30.091 63,30.967 D16.C@63.14,31.107
LED4: D17.C U1.19 | length 15.2
  Top Layer w0.254: U1.19@62.499,21.879 62.455,21.923 61.1,21.923 60.709,22.314 60.709,28.532 61.76,29.583 65.6,29.583 66.015,29.998 D17.C@66.015,31.107
LED5: D18.C U1.20 | length 16.9
  Top Layer w0.254: U1.20@62.499,22.379 61.221,22.379 61.117,22.483 61.117,28.363 61.929,29.175 68.125,29.175 68.89,29.94 D18.C@68.89,31.107